# Altium PCB amp.PcbDoc (part 9 of 20) (continued)
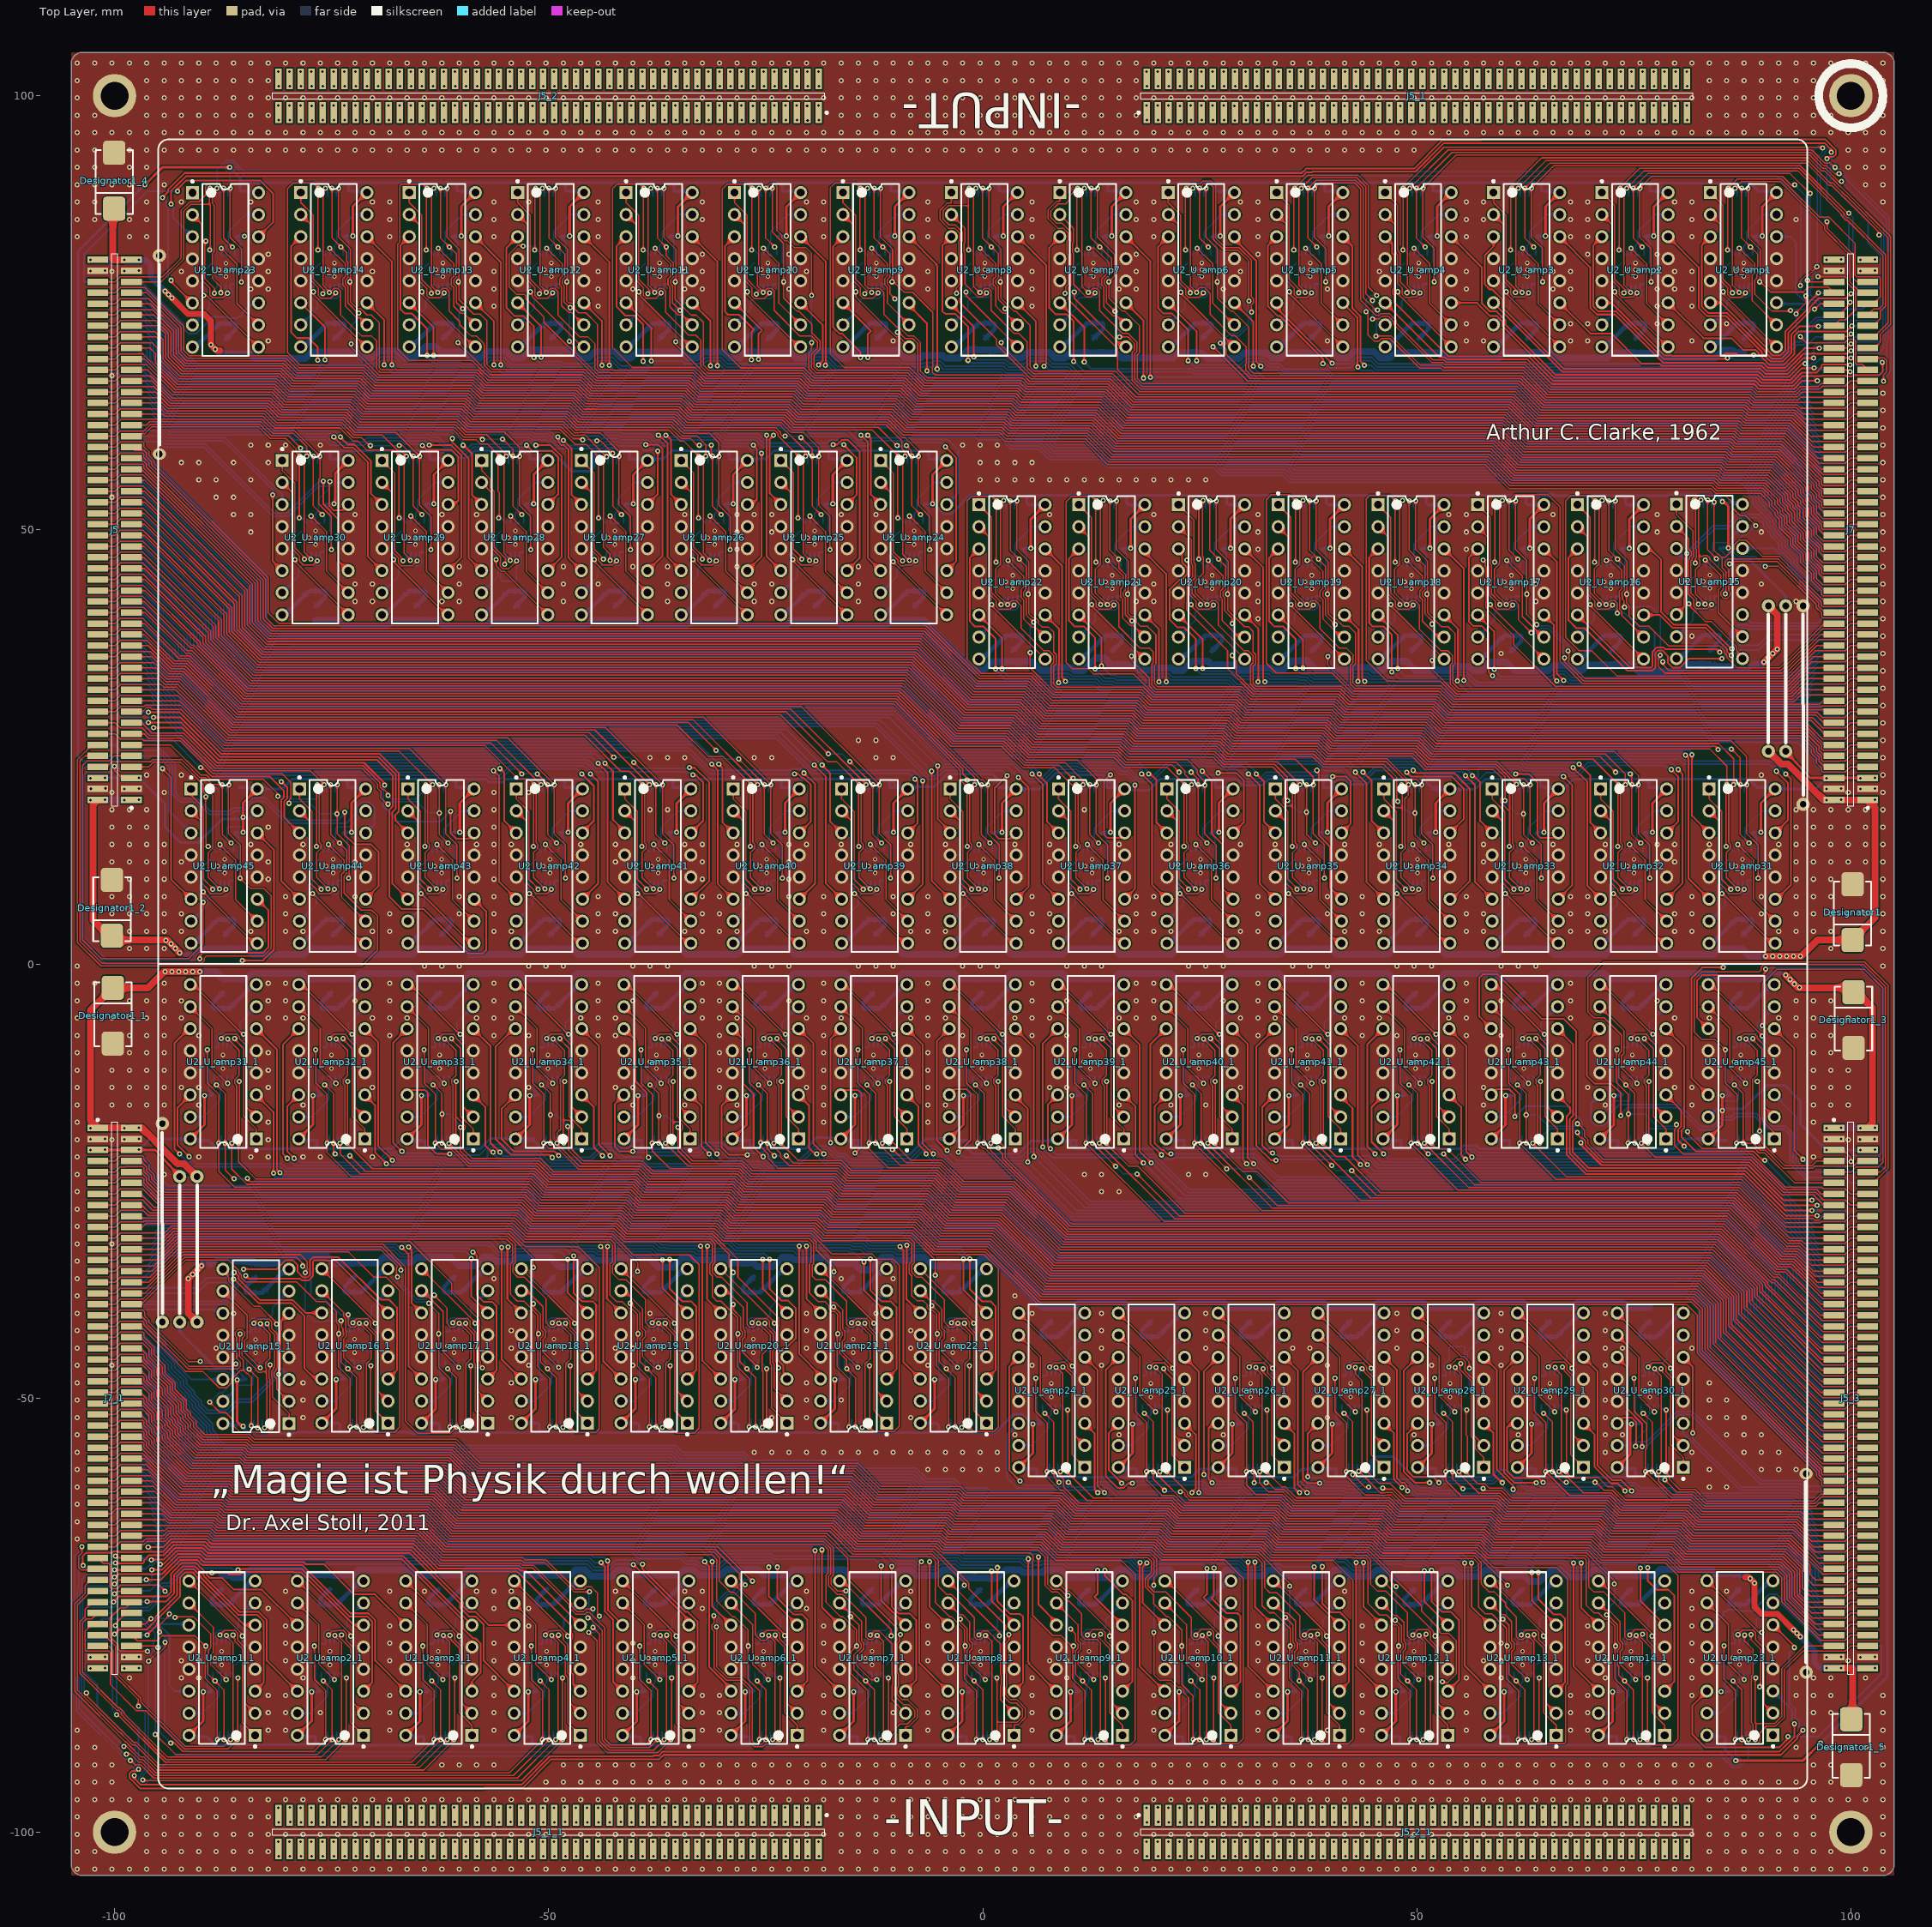
[diagram p0: Top Layer view]
## Nets (pads, with @x,y where several pads share a name; then routed paths per layer and width w, separated by ;. In a path a pad name is that pad's centre, name@x,y a point inside that pad or via, vN(x,y) a via of type N, cw(c..) or ccw(c..) an arc to the next point about the centre after c; other vN are vias at no path point) (continued)
NetJ5_61: J5.61 J5_3.61 R1_U_amp32.6 R1_U_amp32_1.6 U1_U_amp32.5 U1_U_amp32_1.5 | length 411.3
  Top Layer w0.15: J5.61@-98.05,56.985 -97.986,56.921 -97,56.921 -96.936,56.985 -83.813,43.862 -83.813,39.416 -82.138,37.741 -6.986,37.741 -0.905,31.66 4.933,31.66 7.421,29.172 17.377,29.172 18.496,28.053 28.228,28.053 29.395,26.887 39.229,26.887 40.404,25.712 50.214,25.712 51.739,24.187 71.713,24.187 74.013,21.887 v1(74.013,20.665) 73.449,20.102 73.449,13.996 73.674,13.771 73.674,13.336 73.173,12.834 73.173,9.948 v1(74.47,8.651) v1@74.47,8.626 ; v1@-74.47,-8.626 v1(-74.47,-8.651) -73.173,-9.948 -73.173,-12.834 -73.674,-13.336 -73.674,-13.771 -73.449,-13.996 -73.449,-20.102 v1(-74.013,-20.665) -74.013,-21.887 -71.713,-24.187 -51.739,-24.187 -50.214,-25.712 -40.404,-25.712 -39.229,-26.887 -29.395,-26.887 -28.228,-28.053 -18.496,-28.053 -17.377,-29.172 -7.421,-29.172 -4.933,-31.66 0.905,-31.66 6.986,-37.741 82.138,-37.741 83.813,-39.416 83.813,-44.212 96.586,-56.985 J5_3.61@98.05,-56.985
  Bottom Layer w0.15: U1_U_amp32_1.5@-74.545,-9.618 -74.545,-8.726 v1(-74.47,-8.651) ; R1_U_amp32_1.6@-74.271,-19.768 -74.271,-20.407 v1(-74.013,-20.665) ; v1(74.013,20.665) 74.271,20.407 R1_U_amp32.6@74.271,19.768 ; v1(74.47,8.651) 74.545,8.726 U1_U_amp32.5@74.545,9.618
NetJ5_62: J5.62 J5_3.62 R1_U_amp32.8 R1_U_amp32_1.8 U1_U_amp32.1 U1_U_amp32_1.1 | length 419
  Top Layer w0.15: J5.62@-101.95,56.985 -99.938,56.985 -99.343,57.58 -96.757,57.58 -96.625,57.448 -96.625,57.098 -83.513,43.986 -83.513,39.54 -82.014,38.041 -6.862,38.041 -0.781,31.96 5.057,31.96 7.545,29.472 17.501,29.472 18.62,28.353 28.353,28.353 29.519,27.187 39.354,27.187 40.528,26.012 50.338,26.012 51.864,24.487 72.755,24.487 75.521,21.722 75.521,15.026 76.832,13.715 v1(76.832,9.87) ; v1(-76.832,-9.87) -76.832,-13.715 -75.521,-15.026 -75.521,-21.722 -72.755,-24.487 -51.864,-24.487 -50.338,-26.012 -40.528,-26.012 -39.354,-27.187 -29.519,-27.187 -28.353,-28.353 -18.62,-28.353 -17.501,-29.472 -7.545,-29.472 -5.057,-31.96 0.781,-31.96 6.862,-38.041 82.014,-38.041 83.513,-39.54 83.513,-44.336 96.757,-57.58 99.343,-57.58 99.938,-56.985 J5_3.62@101.95,-56.985
  Bottom Layer w0.15: v1(-76.832,-9.87) -76.832,-10.381 U1_U_amp32_1.1@-76.695,-10.518 ; v1(-75.537,-20.665) -75.537,-20.538 -75.271,-20.272 R1_U_amp32_1.8@-75.271,-19.768 ; R1_U_amp32.8@75.271,19.768 75.271,20.272 75.537,20.538 v1(75.537,20.665) ; U1_U_amp32.1@76.695,10.518 76.832,10.381 v1(76.832,9.87)
NetJ5_63: J5.63 J5_3.63 R1_U_amp31.5 R1_U_amp31_1.5 U1_U_amp31.9 U1_U_amp31_1.9 | length 425.6
  Top Layer w0.15: J5.63@-98.05,58.255 -97.168,58.255 -96.793,57.88 -96.633,57.88 -96.325,57.572 -96.325,57.222 -83.213,44.11 -83.213,39.664 -81.89,38.341 -6.738,38.341 -0.657,32.26 5.181,32.26 7.669,29.772 17.625,29.772 18.744,28.653 28.477,28.653 29.643,27.487 39.478,27.487 40.652,26.312 50.463,26.312 51.988,24.787 83.713,24.787 85.716,22.784 v1(85.716,20.665) 85.639,20.589 v1(85.639,13.553) ; v1(-85.639,-13.553) -85.639,-20.589 v1(-85.716,-20.665) -85.716,-22.784 -83.713,-24.787 -51.988,-24.787 -50.463,-26.312 -40.652,-26.312 -39.478,-27.487 -29.643,-27.487 -28.477,-28.653 -18.744,-28.653 -17.625,-29.772 -7.669,-29.772 -5.181,-32.26 0.657,-32.26 6.738,-38.341 81.89,-38.341 83.213,-39.664 83.213,-44.46 97.008,-58.255 J5_3.63@98.05,-58.255
  Bottom Layer w0.15: U1_U_amp31_1.9@-86.535,-12.918 -85.9,-13.553 v1(-85.639,-13.553) ; R1_U_amp31_1.5@-86.261,-19.768 -86.261,-20.12 v1(-85.716,-20.665) ; v1(85.639,13.553) 85.9,13.553 U1_U_amp31.9@86.535,12.918 ; v1(85.716,20.665) 86.261,20.12 R1_U_amp31.5@86.261,19.768
NetJ5_64: J5.64 J5_3.64 R1_U_amp31.7 R1_U_amp31_1.7 U1_U_amp31.13 U1_U_amp31_1.13 | length 439
  Top Layer w0.15: J5.64@-101.95,58.255 -99.938,58.255 -99.343,58.85 -96.757,58.85 -96.625,58.718 -96.625,58.297 -96.025,57.697 -96.025,57.346 -82.913,44.234 -82.913,39.789 -81.765,38.641 -6.614,38.641 -0.533,32.56 5.306,32.56 7.794,30.072 17.749,30.072 18.868,28.953 28.601,28.953 29.767,27.787 39.602,27.787 40.777,26.612 50.587,26.612 52.112,25.087 84.413,25.087 84.7,24.8 v1(84.7,24.7) ; v1(-88.281,-13.909) -87.265,-14.925 v1(-87.265,-20.665) -87.265,-23.735 v1(-86.25,-24.75) ; v1(-84.7,-24.7) -84.7,-24.8 -84.413,-25.087 -52.112,-25.087 -50.587,-26.612 -40.777,-26.612 -39.602,-27.787 -29.767,-27.787 -28.601,-28.953 -18.868,-28.953 -17.749,-30.072 -7.794,-30.072 -5.306,-32.56 0.533,-32.56 6.614,-38.641 81.765,-38.641 82.913,-39.789 82.913,-44.585 96.625,-58.297 96.625,-58.718 96.757,-58.85 99.343,-58.85 99.938,-58.255 J5_3.64@101.95,-58.255 ; v1(86.25,24.75) 87.265,23.735 v1(87.265,20.665) 87.265,14.925 v1(88.281,13.909)
  Bottom Layer w0.15: U1_U_amp31_1.13@-88.535,-12.918 -88.535,-13.655 v1(-88.281,-13.909) ; v1(-87.265,-20.665) -87.261,-20.661 R1_U_amp31_1.7@-87.261,-19.768 ; v1(-86.25,-24.75) -84.65,-24.75 v1(-84.7,-24.7) ; v1(84.7,24.7) 84.65,24.75 v1(86.25,24.75) ; R1_U_amp31.7@87.261,19.768 87.261,20.661 v1(87.265,20.665) ; v1(88.281,13.909) 88.535,13.655 U1_U_amp31.13@88.535,12.918
NetJ5_65: J5.65 J5_3.65 R1_U_amp31.6 R1_U_amp31_1.6 U1_U_amp31.5 U1_U_amp31_1.5 | length 441.1
  Top Layer w0.15: J5.65@-98.05,59.525 -97.675,59.15 -96.633,59.15 -96.325,58.842 -96.325,58.421 -95.725,57.821 -95.725,57.471 -82.613,44.359 -82.613,39.913 -81.641,38.941 -6.489,38.941 -0.408,32.86 5.43,32.86 7.918,30.372 17.874,30.372 18.993,29.253 28.726,29.253 29.892,28.087 39.726,28.087 40.901,26.912 50.711,26.912 52.236,25.387 84.755,25.387 86.503,23.639 v1(86.503,20.665) 85.939,20.102 85.939,13.996 86.164,13.771 86.164,13.336 85.663,12.834 85.663,9.948 v1(86.96,8.651) v1@86.96,8.626 ; v1@-86.96,-8.626 v1(-86.96,-8.651) -85.663,-9.948 -85.663,-12.834 -86.164,-13.336 -86.164,-13.771 -85.939,-13.996 -85.939,-20.102 v1(-86.503,-20.665) -86.503,-23.639 -84.755,-25.387 -52.236,-25.387 -50.711,-26.912 -40.901,-26.912 -39.726,-28.087 -29.892,-28.087 -28.726,-29.253 -18.993,-29.253 -17.874,-30.372 -7.918,-30.372 -5.43,-32.86 0.408,-32.86 6.489,-38.941 81.641,-38.941 82.613,-39.913 82.613,-44.709 96.325,-58.421 96.325,-58.842 96.817,-59.334 97.859,-59.334 J5_3.65@98.05,-59.525
  Bottom Layer w0.15: U1_U_amp31_1.5@-87.035,-9.618 -87.035,-8.726 v1(-86.96,-8.651) ; R1_U_amp31_1.6@-86.761,-19.768 -86.761,-20.407 v1(-86.503,-20.665) ; v1(86.503,20.665) 86.761,20.407 R1_U_amp31.6@86.761,19.768 ; v1(86.96,8.651) 87.035,8.726 U1_U_amp31.5@87.035,9.618
NetJ5_66: J5.66 J5_3.66 R1_U_amp31.8 R1_U_amp31_1.8 U1_U_amp31.1 U1_U_amp31_1.1 | length 449.1
  Top Layer w0.15: J5.66@-101.95,59.525 -99.938,59.525 -99.343,60.12 -96.757,60.12 -96.625,59.988 -96.625,59.567 -96.025,58.967 -96.025,58.545 -95.425,57.945 -95.425,57.595 -82.313,44.483 -82.313,40.452 -81.102,39.241 -6.365,39.241 -0.284,33.16 5.554,33.16 8.042,30.672 17.998,30.672 19.117,29.553 28.85,29.553 30.016,28.387 39.851,28.387 41.025,27.212 50.835,27.212 52.361,25.687 86.213,25.687 88.011,23.889 88.011,15.026 89.322,13.715 v1(89.322,9.87) ; v1(-89.322,-9.87) -89.322,-13.715 -88.011,-15.026 -88.011,-23.889 -86.213,-25.687 -52.361,-25.687 -50.835,-27.212 -41.025,-27.212 -39.851,-28.387 -30.016,-28.387 -28.85,-29.553 -19.117,-29.553 -17.998,-30.672 -8.042,-30.672 -5.554,-33.16 0.284,-33.16 6.365,-39.241 81.102,-39.241 82.313,-40.452 82.313,-44.833 96.025,-58.545 96.025,-58.967 96.625,-59.567 96.625,-59.988 96.757,-60.12 99.343,-60.12 99.938,-59.525 J5_3.66@101.95,-59.525
  Bottom Layer w0.15: v1(-89.322,-9.87) -89.322,-10.381 U1_U_amp31_1.1@-89.185,-10.518 ; v1(-88.027,-20.665) -88.027,-20.538 -87.761,-20.272 R1_U_amp31_1.8@-87.761,-19.768 ; R1_U_amp31.8@87.761,19.768 87.761,20.272 88.027,20.538 v1(88.027,20.665) ; U1_U_amp31.1@89.185,10.518 89.322,10.381 v1(89.322,9.87)
NetJ5_67: J5.67 J5_3.67 R1_U_amp30.5 R1_U_amp30_1.5 U1_U_amp30.9 U1_U_amp30_1.9 | length 61.7
  Top Layer w0.15: J5.67@-98.05,60.795 -97.755,61.09 -96.499,61.09 -95.751,61.838 -83.369,61.838 -82.068,60.537 -80.289,60.537 -79.113,59.361 -79.113,58.96 v1(-78.651,58.498) -78.727,58.422 v1(-78.727,51.386) ; v1(78.727,-51.386) 78.727,-58.422 v1(78.651,-58.498) 79.113,-58.96 79.113,-59.361 80.289,-60.537 82.068,-60.537 83.369,-61.838 95.751,-61.838 96.499,-61.09 97.755,-61.09 J5_3.67@98.05,-60.795
  Bottom Layer w0.15: v1(-78.727,51.386) -78.466,51.386 U1_U_amp30.9@-77.831,50.751 ; v1(-78.651,58.498) -78.105,57.953 R1_U_amp30.5@-78.105,57.601 ; U1_U_amp30_1.9@77.831,-50.751 78.466,-51.386 v1(78.727,-51.386) ; R1_U_amp30_1.5@78.105,-57.601 78.105,-57.953 v1(78.651,-58.498)
NetJ5_68: J5.68 J5_3.68 R1_U_amp30.7 R1_U_amp30_1.7 U1_U_amp30.13 U1_U_amp30_1.13 | length 72.2
  Top Layer w0.15: J5.68@-101.95,60.795 -99.938,60.795 -99.343,61.39 -96.623,61.39 -95.875,62.138 -83.245,62.138 -81.944,60.837 -79.989,60.837 v1(-78.588,59.436) ; v1(-77.101,58.498) -77.101,52.758 v1(-76.085,51.742) ; v1(76.085,-51.742) 77.101,-52.758 v1(77.101,-58.498) ; v1(78.588,-59.436) 79.989,-60.837 81.944,-60.837 83.245,-62.138 95.875,-62.138 96.623,-61.39 99.343,-61.39 99.938,-60.795 J5_3.68@101.95,-60.795
  Bottom Layer w0.15: v1(-78.588,59.436) -78.039,59.436 v1(-77.101,58.498) -77.105,58.494 R1_U_amp30.7@-77.105,57.601 ; v1(-76.085,51.742) -75.831,51.488 U1_U_amp30.13@-75.831,50.751 ; U1_U_amp30_1.13@75.831,-50.751 75.831,-51.488 v1(76.085,-51.742) ; R1_U_amp30_1.7@77.105,-57.601 77.105,-58.494 v1(77.101,-58.498) 78.039,-59.436 v1(78.588,-59.436)
NetJ5_69: J5.69 J5_3.69 R1_U_amp30.6 R1_U_amp30_1.6 U1_U_amp30.5 U1_U_amp30_1.5 | length 74.5
  Top Layer w0.15: J5.69@-98.05,62.065 -96.373,62.065 -96,62.438 -83.121,62.438 -81.82,61.137 -79.422,61.137 -77.863,59.578 v1(-77.863,58.498) -78.143,58.219 -78.143,47.442 -77.406,46.705 v1@-77.406,46.635 ; v1@-77.406,46.459 -77.318,46.547 v1@-77.406,46.635 ; v1(-77.406,46.614) v1@-77.406,46.635 ; v1(77.406,-46.614) v1@77.406,-46.635 ; v1@77.406,-46.459 77.318,-46.547 v1@77.406,-46.635 ; J5_3.69@98.05,-62.065 96.373,-62.065 96,-62.438 83.121,-62.438 81.82,-61.137 79.422,-61.137 77.863,-59.578 v1(77.863,-58.498) 78.143,-58.219 78.143,-47.442 77.406,-46.705 v1@77.406,-46.635
  Bottom Layer w0.15: v1(-77.863,58.498) -77.605,58.24 R1_U_amp30.6@-77.605,57.601 ; v1(-77.406,46.614) -77.406,46.66 v1@-77.331,46.586 ; U1_U_amp30.5@-77.331,47.451 v1@-77.331,46.586 ; U1_U_amp30_1.5@77.331,-47.451 v1@77.331,-46.586 ; v1(77.406,-46.614) 77.406,-46.66 v1@77.331,-46.586 ; R1_U_amp30_1.6@77.605,-57.601 77.605,-58.24 v1(77.863,-58.498) ; v1@-77.331,46.586 -77.318,46.572 -77.331,46.559 v1@-77.331,46.586 ; v1@77.331,-46.586 77.331,-46.559 77.318,-46.572 v1@77.331,-46.586
NetJ5_70: J5.70 J5_3.70 R1_U_amp30.8 R1_U_amp30_1.8 U1_U_amp30.1 U1_U_amp30_1.1 | length 81.6
  Top Layer w0.15: J5.70@-101.95,62.065 -99.938,62.065 -99.265,62.738 -82.997,62.738 -81.696,61.437 -79.298,61.437 -76.327,58.466 -76.327,55.962 -76.471,55.818 -76.471,52.975 -75.044,51.548 v1(-75.044,47.703) ; v1(75.044,-47.703) 75.044,-51.548 76.471,-52.975 76.471,-55.818 76.327,-55.962 76.327,-58.466 79.298,-61.437 81.696,-61.437 82.997,-62.738 99.265,-62.738 99.938,-62.065 J5_3.70@101.95,-62.065
  Bottom Layer w0.15: R1_U_amp30.8@-76.605,57.601 -76.605,58.105 -76.339,58.371 v1(-76.339,58.498) ; U1_U_amp30.1@-75.181,48.351 -75.044,48.214 v1(-75.044,47.703) ; v1(75.044,-47.703) 75.044,-48.214 U1_U_amp30_1.1@75.181,-48.351 ; v1(76.339,-58.498) 76.339,-58.371 76.605,-58.105 R1_U_amp30_1.8@76.605,-57.601
NetJ5_71: J5.71 J5_3.71 R1_U_amp29.5 R1_U_amp29_1.5 U1_U_amp29.9 U1_U_amp29_1.9 | length 84.7
  Top Layer w0.15: J5.71@-98.05,63.335 -94.463,63.335 -94.204,63.076 -82.911,63.076 -81.571,61.737 -74.056,61.737 -72.567,60.249 -72.009,60.249 -70.925,59.165 -70.318,59.165 -70.301,59.182 -67.867,59.182 -67.183,58.498 v1(-67.16,58.498) -67.237,58.422 v1(-67.237,51.386) ; v1(67.237,-51.386) 67.237,-58.422 v1(67.16,-58.498) 67.183,-58.498 67.867,-59.182 70.301,-59.182 70.318,-59.165 70.925,-59.165 72.009,-60.249 72.567,-60.249 74.056,-61.737 81.571,-61.737 82.911,-63.076 94.204,-63.076 94.463,-63.335 J5_3.71@98.05,-63.335
  Bottom Layer w0.15: v1(-67.237,51.386) -66.976,51.386 U1_U_amp29.9@-66.341,50.751 ; v1(-67.16,58.498) -66.615,57.953 R1_U_amp29.5@-66.615,57.601 ; U1_U_amp29_1.9@66.341,-50.751 66.976,-51.386 v1(67.237,-51.386) ; R1_U_amp29_1.5@66.615,-57.601 66.615,-57.953 v1(67.16,-58.498)
NetJ5_72: J5.72 J5_3.72 R1_U_amp29.7 R1_U_amp29_1.7 U1_U_amp29.13 U1_U_amp29_1.13 | length 97
  Top Layer w0.15: J5.72@-101.95,63.335 -99.938,63.335 -99.343,63.93 -94.634,63.93 -94.08,63.376 -82.786,63.376 -81.447,62.037 -73.931,62.037 -72.522,60.628 -71.575,60.628 -70.51,59.563 -70.51,59.665 v1(-70.536,59.69) ; v1(-67.234,59.715) -66.828,59.715 v1(-65.611,58.498) -65.611,52.758 v1(-64.595,51.742) ; v1(64.595,-51.742) 65.611,-52.758 v1(65.611,-58.498) 66.828,-59.715 v1(67.234,-59.715) ; v1(70.536,-59.69) 70.51,-59.665 70.51,-59.563 71.575,-60.628 72.522,-60.628 73.931,-62.037 81.447,-62.037 82.786,-63.376 94.08,-63.376 94.634,-63.93 99.343,-63.93 99.938,-63.335 J5_3.72@101.95,-63.335
  Bottom Layer w0.15: v1(-70.536,59.69) -67.107,59.69 -67.132,59.715 v1(-67.234,59.715) ; R1_U_amp29.7@-65.615,57.601 -65.615,58.494 v1(-65.611,58.498) ; v1(-64.595,51.742) -64.341,51.488 U1_U_amp29.13@-64.341,50.751 ; U1_U_amp29_1.13@64.341,-50.751 64.341,-51.488 v1(64.595,-51.742) ; v1(65.611,-58.498) 65.615,-58.494 R1_U_amp29_1.7@65.615,-57.601 ; v1(67.234,-59.715) 67.132,-59.715 67.107,-59.69 v1(70.536,-59.69)
NetJ5_73: J5.73 J5_3.73 R1_U_amp29.6 R1_U_amp29_1.6 U1_U_amp29.5 U1_U_amp29_1.5 | length 97.3
  Top Layer w0.15: J5.73@-98.05,64.605 -94.884,64.605 -93.956,63.676 -82.662,63.676 -81.323,62.337 -73.807,62.337 -72.398,60.928 -69.188,60.928 -67.4,59.14 -67.059,59.14 -66.418,58.498 v1(-66.373,58.498) -66.652,58.219 -66.652,47.327 -65.916,46.59 v1(-65.916,46.484) v1@-65.916,46.459 ; v1@65.916,-46.459 v1(65.916,-46.484) 65.916,-46.59 66.652,-47.327 66.652,-58.219 v1(66.373,-58.498) 66.418,-58.498 67.059,-59.14 67.4,-59.14 69.188,-60.928 72.398,-60.928 73.807,-62.337 81.323,-62.337 82.662,-63.676 93.956,-63.676 94.884,-64.605 J5_3.73@98.05,-64.605
  Bottom Layer w0.15: v1(-66.373,58.498) -66.115,58.24 R1_U_amp29.6@-66.115,57.601 ; v1(-65.916,46.484) -65.841,46.559 U1_U_amp29.5@-65.841,47.451 ; U1_U_amp29_1.5@65.841,-47.451 65.841,-46.559 v1(65.916,-46.484) ; R1_U_amp29_1.6@66.115,-57.601 66.115,-58.24 v1(66.373,-58.498)
NetJ5_74: J5.74 J5_3.74 R1_U_amp29.8 R1_U_amp29_1.8 U1_U_amp29.1 U1_U_amp29_1.1 | length 106.3
  Top Layer w0.15: J5.74@-101.95,64.605 -99.938,64.605 -99.343,65.2 -95.055,65.2 -93.832,63.976 -82.538,63.976 -81.198,62.637 -73.683,62.637 -72.273,61.228 -67.598,61.228 -64.865,58.495 -64.865,52.859 -63.554,51.548 v1(-63.554,47.703) ; v1(63.554,-47.703) 63.554,-51.548 64.865,-52.859 64.865,-58.495 67.598,-61.228 72.273,-61.228 73.683,-62.637 81.198,-62.637 82.538,-63.976 93.832,-63.976 95.055,-65.2 99.343,-65.2 99.938,-64.605 J5_3.74@101.95,-64.605
  Bottom Layer w0.15: R1_U_amp29.8@-65.115,57.601 -65.115,58.105 -64.849,58.371 v1(-64.849,58.498) ; U1_U_amp29.1@-63.691,48.351 -63.554,48.214 v1(-63.554,47.703) ; v1(63.554,-47.703) 63.554,-48.214 U1_U_amp29_1.1@63.691,-48.351 ; v1(64.849,-58.498) 64.849,-58.371 65.115,-58.105 R1_U_amp29_1.8@65.115,-57.601
NetJ5_75: J5.75 J5_3.75 R1_U_amp28.5 R1_U_amp28_1.5 U1_U_amp28.9 U1_U_amp28_1.9 | length 110
  Top Layer w0.15: J5.75@-98.05,65.875 -95.306,65.875 -93.707,64.276 -82.414,64.276 -81.074,62.937 -73.559,62.937 -72.149,61.528 -61.025,61.528 -59.859,60.361 -58.335,60.361 -57.875,59.902 -57.074,59.902 v1(-55.67,58.498) -55.855,58.314 -55.855,54.441 -55.696,54.283 -55.696,51.437 v1(-55.746,51.386) ; v1(55.746,-51.386) 55.696,-51.437 55.696,-54.283 55.855,-54.441 55.855,-58.314 v1(55.67,-58.498) 57.074,-59.902 57.875,-59.902 58.335,-60.361 59.859,-60.361 61.025,-61.528 72.149,-61.528 73.559,-62.937 81.074,-62.937 82.414,-64.276 93.707,-64.276 95.306,-65.875 J5_3.75@98.05,-65.875
  Bottom Layer w0.15: v1(-55.746,51.386) -55.486,51.386 U1_U_amp28.9@-54.851,50.751 ; v1(-55.67,58.498) -55.125,57.953 R1_U_amp28.5@-55.125,57.601 ; U1_U_amp28_1.9@54.851,-50.751 55.486,-51.386 v1(55.746,-51.386) ; R1_U_amp28_1.5@55.125,-57.601 55.125,-57.953 v1(55.67,-58.498)
NetJ5_76: J5.76 J5_3.76 R1_U_amp28.7 R1_U_amp28_1.7 U1_U_amp28.13 U1_U_amp28_1.13 | length 122.2
  Top Layer w0.15: J5.76@-101.95,65.875 -99.938,65.875 -99.316,66.497 -95.504,66.497 -93.583,64.576 -82.289,64.576 -80.95,63.237 -73.434,63.237 -72.025,61.828 -60.901,61.828 -59.735,60.661 -57.969,60.661 -57.683,60.376 -57.658,60.401 v1(-57.658,60.427) ; v1(-55.296,60.452) -54.121,59.277 v1(-54.121,58.498) -54.121,52.758 v1(-53.105,51.742) ; v1(53.105,-51.742) 54.121,-52.758 v1(54.121,-58.498) 54.121,-59.277 v1(55.296,-60.452) ; v1(57.658,-60.427) 57.658,-60.401 57.683,-60.376 57.969,-60.661 59.735,-60.661 60.901,-61.828 72.025,-61.828 73.434,-63.237 80.95,-63.237 82.289,-64.576 93.583,-64.576 95.504,-66.497 99.316,-66.497 99.938,-65.875 J5_3.76@101.95,-65.875
  Bottom Layer w0.15: v1(-57.658,60.427) -55.321,60.427 v1(-55.296,60.452) ; R1_U_amp28.7@-54.125,57.601 -54.125,58.494 v1(-54.121,58.498) ; v1(-53.105,51.742) -52.851,51.488 U1_U_amp28.13@-52.851,50.751 ; U1_U_amp28_1.13@52.851,-50.751 52.851,-51.488 v1(53.105,-51.742) ; v1(54.121,-58.498) 54.125,-58.494 R1_U_amp28_1.7@54.125,-57.601 ; v1(55.296,-60.452) 55.321,-60.427 v1(57.658,-60.427)
NetJ5_77: J5.77 J5_3.77 R1_U_amp28.6 R1_U_amp28_1.6 U1_U_amp28.5 U1_U_amp28_1.5 | length 122.6
  Top Layer w0.15: J5.77@-98.05,67.145 -95.727,67.145 -93.459,64.876 -82.165,64.876 -80.826,63.537 -73.31,63.537 -71.901,62.128 -60.777,62.128 -59.61,60.961 -57.175,60.961 -54.883,58.669 v1(-54.883,58.498) -55.162,58.219 -55.162,47.327 -54.426,46.59 v1(-54.426,46.484) v1@-54.426,46.459 ; v1@54.426,-46.459 v1(54.426,-46.484) 54.426,-46.59 55.162,-47.327 55.162,-58.219 v1(54.883,-58.498) 54.883,-58.669 57.175,-60.961 59.61,-60.961 60.777,-62.128 71.901,-62.128 73.31,-63.537 80.826,-63.537 82.165,-64.876 93.459,-64.876 95.727,-67.145 J5_3.77@98.05,-67.145
  Bottom Layer w0.15: v1(-54.883,58.498) -54.625,58.24 R1_U_amp28.6@-54.625,57.601 ; v1(-54.426,46.484) -54.351,46.559 U1_U_amp28.5@-54.351,47.451 ; U1_U_amp28_1.5@54.351,-47.451 54.351,-46.559 v1(54.426,-46.484) ; R1_U_amp28_1.6@54.625,-57.601 54.625,-58.24 v1(54.883,-58.498)
NetJ5_78: J5.78 J5_3.78 R1_U_amp28.8 R1_U_amp28_1.8 U1_U_amp28.1 U1_U_amp28_1.1 | length 132.6
  Top Layer w0.15: J5.78@-101.95,67.145 -99.938,67.145 -99.343,67.74 -95.898,67.74 -93.335,65.176 -82.041,65.176 -80.701,63.837 -73.186,63.837 -71.776,62.428 -60.652,62.428 -59.486,61.261 -55.089,61.261 -53.375,59.547 -53.375,52.859 -52.063,51.548 v1(-52.063,47.703) ; v1(52.063,-47.703) 52.063,-51.548 53.375,-52.859 53.375,-59.547 55.089,-61.261 59.486,-61.261 60.652,-62.428 71.776,-62.428 73.186,-63.837 80.701,-63.837 82.041,-65.176 93.335,-65.176 95.898,-67.74 99.343,-67.74 99.938,-67.145 J5_3.78@101.95,-67.145
  Bottom Layer w0.15: R1_U_amp28.8@-53.625,57.601 -53.625,58.105 -53.359,58.371 v1(-53.359,58.498) ; U1_U_amp28.1@-52.201,48.351 -52.063,48.214 v1(-52.063,47.703) ; v1(52.063,-47.703) 52.063,-48.214 U1_U_amp28_1.1@52.201,-48.351 ; v1(53.359,-58.498) 53.359,-58.371 53.625,-58.105 R1_U_amp28_1.8@53.625,-57.601
NetJ5_79: J5.79 J5_3.79 R1_U_amp27.5 R1_U_amp27_1.5 U1_U_amp27.9 U1_U_amp27_1.9 | length 134.4
  Top Layer w0.15: J5.79@-98.05,68.415 -96.149,68.415 -93.285,65.551 -81.991,65.551 -80.577,64.137 -73.062,64.137 -71.652,62.728 -60.528,62.728 -59.362,61.561 -48.664,61.561 -46.953,59.851 -45.685,59.851 -44.256,58.422 v1(-44.256,51.386) ; v1(44.256,-51.386) 44.256,-58.422 45.685,-59.851 46.953,-59.851 48.664,-61.561 59.362,-61.561 60.528,-62.728 71.652,-62.728 73.062,-64.137 80.577,-64.137 81.991,-65.551 93.285,-65.551 96.149,-68.415 J5_3.79@98.05,-68.415
  Bottom Layer w0.15: v1(-44.256,51.386) -43.996,51.386 U1_U_amp27.9@-43.361,50.751 ; v1(-44.171,58.369) -44.051,58.369 -43.635,57.953 R1_U_amp27.5@-43.635,57.601 ; U1_U_amp27_1.9@43.361,-50.751 43.996,-51.386 v1(44.256,-51.386) ; R1_U_amp27_1.5@43.635,-57.601 43.635,-57.953 44.051,-58.369 v1(44.171,-58.369)
NetJ5_80: J5.80 J5_3.80 R1_U_amp27.7 R1_U_amp27_1.7 U1_U_amp27.13 U1_U_amp27_1.13 | length 147.9
  Top Layer w0.15: J5.80@-101.95,68.415 -99.938,68.415 -99.343,69.01 -96.32,69.01 -93.161,65.851 -81.867,65.851 -80.453,64.437 -72.937,64.437 -71.528,63.028 -60.404,63.028 -59.238,61.861 -48.539,61.861 -47.181,60.503 -46.101,60.503 v1(-46.101,60.376) ; v1(-44.45,60.274) -44.069,60.274 v1(-42.621,58.826) -42.621,52.767 -42.631,52.758 v1(-41.615,51.742) ; v1(41.615,-51.742) 42.631,-52.758 42.621,-52.767 v1(42.621,-58.826) 44.069,-60.274 v1(44.45,-60.274) ; v1(46.101,-60.376) 46.101,-60.503 47.181,-60.503 48.539,-61.861 59.238,-61.861 60.404,-63.028 71.528,-63.028 72.937,-64.437 80.453,-64.437 81.867,-65.851 93.161,-65.851 96.32,-69.01 99.343,-69.01 99.938,-68.415 J5_3.80@101.95,-68.415
  Bottom Layer w0.15: v1(-46.101,60.376) -44.425,60.376 -44.323,60.274 v1(-44.45,60.274) ; R1_U_amp27.7@-42.635,57.601 -42.635,58.813 v1(-42.621,58.826) ; v1(-41.615,51.742) -41.361,51.488 U1_U_amp27.13@-41.361,50.751 ; U1_U_amp27_1.13@41.361,-50.751 41.361,-51.488 v1(41.615,-51.742) ; v1(42.621,-58.826) 42.635,-58.813 R1_U_amp27_1.7@42.635,-57.601 ; v1(44.45,-60.274) 44.323,-60.274 44.425,-60.376 v1(46.101,-60.376)
NetJ5_81: J5.81 J5_3.81 R1_U_amp27.6 R1_U_amp27_1.6 U1_U_amp27.5 U1_U_amp27_1.5 | length 147.5
  Top Layer w0.15: J5.81@-98.05,69.685 -96.57,69.685 -93.037,66.151 -81.743,66.151 -80.329,64.737 -72.813,64.737 -71.404,63.328 -60.28,63.328 -59.113,62.161 -48.415,62.161 -47.144,60.891 -46.405,60.891 -46.395,60.901 -45.807,60.901 -45.797,60.891 -45.785,60.891 -44.975,60.081 -44.975,60.057 -43.369,58.451 v1(-43.32,58.451) -43.672,58.099 -43.672,47.963 -42.935,47.226 v1(-42.935,46.484) v1@-42.935,46.459 ; v1@42.935,-46.459 v1(42.935,-46.484) 42.935,-47.226 43.672,-47.963 43.672,-58.099 v1(43.32,-58.451) 43.369,-58.451 44.975,-60.057 44.975,-60.081 45.785,-60.891 45.797,-60.891 45.807,-60.901 46.395,-60.901 46.405,-60.891 47.144,-60.891 48.415,-62.161 59.113,-62.161 60.28,-63.328 71.404,-63.328 72.813,-64.737 80.329,-64.737 81.743,-66.151 93.037,-66.151 96.57,-69.685 J5_3.81@98.05,-69.685
  Bottom Layer w0.15: v1(-43.32,58.451) -43.32,58.425 -43.135,58.24 R1_U_amp27.6@-43.135,57.601 ; v1(-42.935,46.484) -42.861,46.559 U1_U_amp27.5@-42.861,47.451 ; U1_U_amp27_1.5@42.861,-47.451 42.861,-46.559 v1(42.935,-46.484) ; R1_U_amp27_1.6@43.135,-57.601 43.135,-58.24 43.32,-58.425 v1(43.32,-58.451)
NetJ5_82: J5.82 J5_3.82 R1_U_amp27.8 R1_U_amp27_1.8 U1_U_amp27.1 U1_U_amp27_1.1 | length 157.2
  Top Layer w0.15: J5.82@-101.95,69.685 -99.938,69.685 -99.343,70.28 -97.258,70.28 -97.257,70.282 -96.743,70.282 -92.912,66.451 -81.619,66.451 -80.204,65.037 -72.689,65.037 -71.279,63.628 -60.155,63.628 -58.989,62.461 -48.291,62.461 -47.02,61.191 -46.529,61.191 -46.519,61.201 -45.683,61.201 -45.673,61.191 -44.046,61.191 -41.859,59.004 -41.859,58.508 v1(-41.869,58.498) -41.885,58.482 -41.885,52.859 -40.573,51.548 v1(-40.573,47.703) ; v1(40.573,-47.703) 40.573,-51.548 41.885,-52.859 41.885,-58.482 v1(41.869,-58.498) 41.859,-58.508 41.859,-59.004 44.046,-61.191 45.673,-61.191 45.683,-61.201 46.519,-61.201 46.529,-61.191 47.02,-61.191 48.291,-62.461 58.989,-62.461 60.155,-63.628 71.279,-63.628 72.689,-65.037 80.204,-65.037 81.619,-66.451 92.912,-66.451 96.743,-70.282 97.257,-70.282 97.258,-70.28 99.343,-70.28 99.938,-69.685 J5_3.82@101.95,-69.685
  Bottom Layer w0.15: R1_U_amp27.8@-42.135,57.601 -42.135,58.105 -41.869,58.371 v1(-41.869,58.498) ; U1_U_amp27.1@-40.711,48.351 -40.573,48.214 v1(-40.573,47.703) ; v1(40.573,-47.703) 40.573,-48.214 U1_U_amp27_1.1@40.711,-48.351 ; v1(41.869,-58.498) 41.869,-58.371 42.135,-58.105 R1_U_amp27_1.8@42.135,-57.601
NetJ5_83: J5.83 J5_3.83 R1_U_amp26.5 R1_U_amp26_1.5 U1_U_amp26.9 U1_U_amp26_1.9 | length 161.1
  Top Layer w0.15: J5.83@-98.05,70.955 -95.949,70.955 -95.316,70.322 -95.316,69.279 -92.788,66.751 -81.494,66.751 -80.08,65.337 -72.565,65.337 -71.155,63.928 -60.031,63.928 -58.865,62.761 -48.167,62.761 -46.896,61.491 -46.653,61.491 -46.643,61.501 -45.559,61.501 -45.549,61.491 -36.122,61.491 -34.874,60.243 -34.462,60.243 -32.717,58.498 v1(-32.69,58.498) -32.766,58.422 v1(-32.766,51.386) ; v1(32.766,-51.386) 32.766,-58.422 v1(32.69,-58.498) 32.717,-58.498 34.462,-60.243 34.874,-60.243 36.122,-61.491 45.549,-61.491 45.559,-61.501 46.643,-61.501 46.653,-61.491 46.896,-61.491 48.167,-62.761 58.865,-62.761 60.031,-63.928 71.155,-63.928 72.565,-65.337 80.08,-65.337 81.494,-66.751 92.788,-66.751 95.316,-69.279 95.316,-70.322 95.949,-70.955 J5_3.83@98.05,-70.955
  Bottom Layer w0.15: v1(-32.766,51.386) -32.505,51.386 U1_U_amp26.9@-31.87,50.751 ; v1(-32.69,58.498) -32.144,57.953 R1_U_amp26.5@-32.144,57.601 ; U1_U_amp26_1.9@31.87,-50.751 32.505,-51.386 v1(32.766,-51.386) ; R1_U_amp26_1.5@32.144,-57.601 32.144,-57.953 v1(32.69,-58.498)
NetJ5_84: J5.84 J5_3.84 R1_U_amp26.7 R1_U_amp26_1.7 U1_U_amp26.13 U1_U_amp26_1.13 | length 174.7
  Top Layer w0.15: J5.84@-101.95,70.955 -99.938,70.955 -99.343,71.55 -95.68,71.55 -95.016,70.886 -95.016,69.404 -92.688,67.075 -81.394,67.075 -79.956,65.637 -72.44,65.637 -71.031,64.228 -59.907,64.228 -58.741,63.061 -48.042,63.061 -46.792,61.811 -45.444,61.811 -45.424,61.791 -35.997,61.791 -34.75,60.543 -33.695,60.543 -32.893,59.741 v1(-32.639,59.741) ; v1(-31.267,59.766) -31.267,58.625 v1(-31.14,58.498) -31.14,52.758 v1(-30.124,51.742) ; v1(30.124,-51.742) 31.14,-52.758 v1(31.14,-58.498) 31.267,-58.625 v1(31.267,-59.766) ; v1(32.639,-59.741) 32.893,-59.741 33.695,-60.543 34.75,-60.543 35.997,-61.791 45.424,-61.791 45.444,-61.811 46.792,-61.811 48.042,-63.061 58.741,-63.061 59.907,-64.228 71.031,-64.228 72.44,-65.637 79.956,-65.637 81.394,-67.075 92.688,-67.075 95.016,-69.404 95.016,-70.886 95.68,-71.55 99.343,-71.55 99.938,-70.955 J5_3.84@101.95,-70.955
  Bottom Layer w0.15: v1(-32.639,59.741) -31.217,59.741 -31.191,59.766 v1(-31.267,59.766) ; R1_U_amp26.7@-31.144,57.601 -31.144,58.494 v1(-31.14,58.498) ; v1(-30.124,51.742) -29.87,51.488 U1_U_amp26.13@-29.87,50.751 ; U1_U_amp26_1.13@29.87,-50.751 29.87,-51.488 v1(30.124,-51.742) ; v1(31.14,-58.498) 31.144,-58.494 R1_U_amp26_1.7@31.144,-57.601 ; v1(31.267,-59.766) 31.191,-59.766 31.217,-59.741 v1(32.639,-59.741)
NetJ5_85: J5.85 J5_3.85 R1_U_amp26.6 R1_U_amp26_1.6 U1_U_amp26.5 U1_U_amp26_1.5 | length 176.7
  Top Layer w0.15: J5.85@-98.05,72.225 -95.179,72.225 -94.716,71.762 -94.716,69.528 -92.563,67.375 -81.27,67.375 -79.832,65.937 -72.316,65.937 -70.907,64.528 -59.783,64.528 -58.616,63.361 -47.918,63.361 -46.667,62.111 -45.32,62.111 -45.3,62.091 -35.873,62.091 -34.626,60.843 -32.954,60.843 -31.902,59.792 v1(-31.902,58.498) -32.182,58.219 -32.182,47.327 -31.445,46.59 v1(-31.445,46.484) v1@-31.445,46.459 ; v1@31.445,-46.459 v1(31.445,-46.484) 31.445,-46.59 32.182,-47.327 32.182,-58.219 v1(31.902,-58.498) 31.902,-59.792 32.954,-60.843 34.626,-60.843 35.873,-62.091 45.3,-62.091 45.32,-62.111 46.667,-62.111 47.918,-63.361 58.616,-63.361 59.783,-64.528 70.907,-64.528 72.316,-65.937 79.832,-65.937 81.27,-67.375 92.563,-67.375 94.716,-69.528 94.716,-71.762 95.179,-72.225 J5_3.85@98.05,-72.225
  Bottom Layer w0.15: v1(-31.902,58.498) -31.644,58.24 R1_U_amp26.6@-31.644,57.601 ; v1(-31.445,46.484) -31.37,46.559 U1_U_amp26.5@-31.37,47.451 ; U1_U_amp26_1.5@31.37,-47.451 31.37,-46.559 v1(31.445,-46.484) ; R1_U_amp26_1.6@31.644,-57.601 31.644,-58.24 v1(31.902,-58.498)
NetJ5_86: J5.86 J5_3.86 R1_U_amp26.8 R1_U_amp26_1.8 U1_U_amp26.1 U1_U_amp26_1.1 | length 186
  Top Layer w0.15: J5.86@-101.95,72.225 -99.938,72.225 -99.343,72.82 -95.35,72.82 -94.416,71.886 -94.416,69.652 -92.439,67.675 -81.145,67.675 -79.707,66.237 -72.192,66.237 -70.782,64.828 -59.658,64.828 -58.492,63.661 -47.794,63.661 -46.543,62.411 -45.196,62.411 -45.176,62.391 -35.749,62.391 -34.501,61.143 -31.496,61.143 -30.394,60.042 -30.394,52.859 -29.083,51.548 v1(-29.083,47.703) ; v1(29.083,-47.703) 29.083,-51.548 30.394,-52.859 30.394,-60.042 31.496,-61.143 34.501,-61.143 35.749,-62.391 45.176,-62.391 45.196,-62.411 46.543,-62.411 47.794,-63.661 58.492,-63.661 59.658,-64.828 70.782,-64.828 72.192,-66.237 79.707,-66.237 81.145,-67.675 92.439,-67.675 94.416,-69.652 94.416,-71.886 95.35,-72.82 99.343,-72.82 99.938,-72.225 J5_3.86@101.95,-72.225
  Bottom Layer w0.15: R1_U_amp26.8@-30.644,57.601 -30.644,58.105 -30.378,58.371 v1(-30.378,58.498) ; U1_U_amp26.1@-29.22,48.351 -29.083,48.214 v1(-29.083,47.703) ; v1(29.083,-47.703) 29.083,-48.214 U1_U_amp26_1.1@29.22,-48.351 ; v1(30.378,-58.498) 30.378,-58.371 30.644,-58.105 R1_U_amp26_1.8@30.644,-57.601